# Altium PCB 606-100862-r02.pcbdoc (part 1 of 3) (continued)
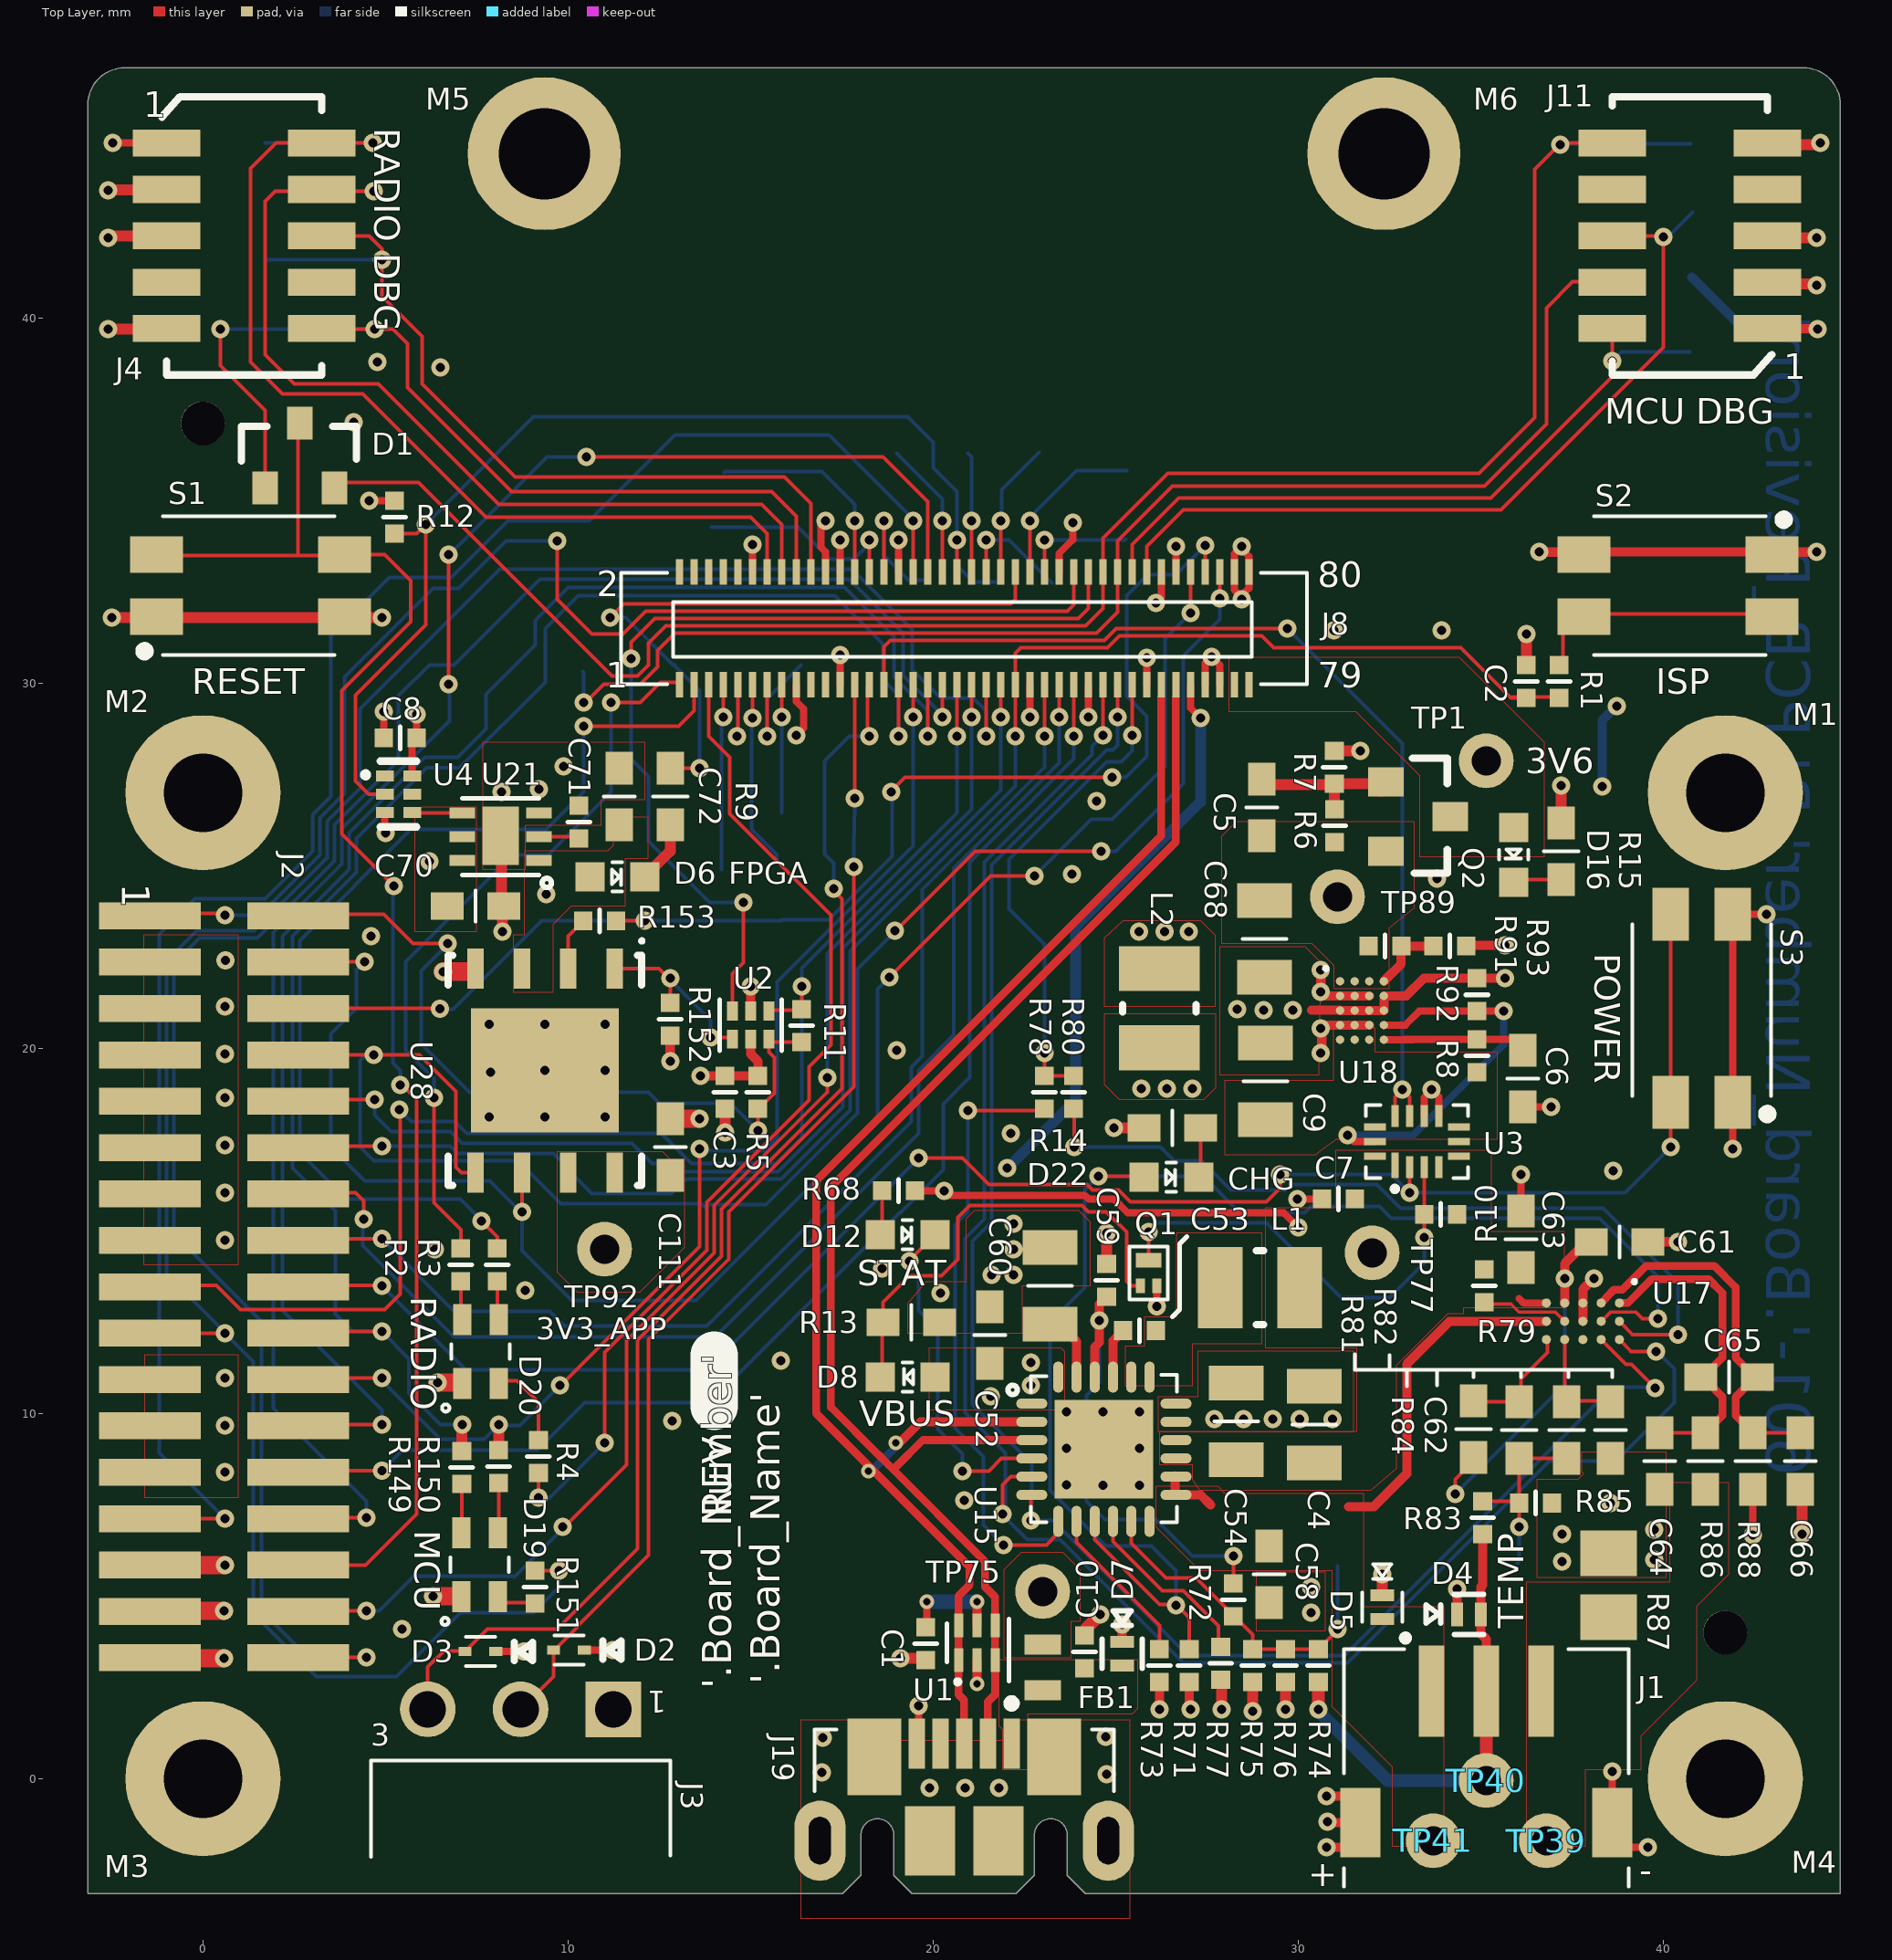
[diagram p0: Top Layer view]
## Design rules (kind name [scope] priority, off if disabled: settings) (continued)
PlaneClearance [All] p0: scope1count=1 scope1_0_kind=Board scope1_0_value=Board scope2count=1 scope2_0_kind=Board scope2_0_value=Board commentlength=0 clearance=0.25
PlaneClearance [All] p1: clearance=0.25
PlaneConnect [All] p0: scope1count=1 scope1_0_kind=Board scope1_0_value=Board scope2count=1 scope2_0_kind=Board scope2_0_value=Board commentlength=0 planeconnectstyle=Direct reliefexpansion=0.508 reliefentries=4 reliefconductorwidth=0.254 reliefairgap=0.254
PlaneConnect [All] p1: planeconnectstyle=Direct reliefexpansion=0.508 reliefentries=4 reliefconductorwidth=0.254 reliefairgap=0.254
PolygonConnect MTG_CONNECT [All] p0: scope1count=1 scope1_0_kind=PadClass scope1_0_value=Thick_thermals scope2count=1 scope2_0_kind=Board scope2_0_value=Board commentlength=0 connectstyle=Relief reliefconductorwidth=0.4 reliefentries=4 polygonreliefangle="90 Angle"
PolygonConnect THPin [All] p0: scope1count=1 scope1_0_kind=Board scope1_0_value=Board scope2count=1 scope2_0_kind=PadClass scope2_0_value=THPin_Polygon commentlength=0 connectstyle=Relief reliefconductorwidth=0.254 reliefentries=4 polygonreliefangle="90 Angle"
PolygonConnect [All] p0: scope1count=1 scope1_0_kind=Board scope1_0_value=Board scope2count=1 scope2_0_kind=Board scope2_0_value=Board commentlength=0 connectstyle=Relief reliefconductorwidth=0.25 reliefentries=4 polygonreliefangle="90 Angle"
PolygonConnect POLY_VIA [All] p0 off: scope1count=1 scope1_0_kind=Board scope1_0_value=Board scope2count=1 scope2_0_kind=Board scope2_0_value=Board commentlength=48 connectstyle=Direct reliefconductorwidth=0.254 reliefentries=4 polygonreliefangle="90 Angle" // Protel DXP Scope 2 Expression Was: IsPolygon
PolygonConnect MTG_CONNECT [InPadClass('Thick_thermals')] p1: connectstyle=Relief reliefconductorwidth=0.4 reliefentries=4 polygonreliefangle="90 Angle" airgapwidth=0.125
PolygonConnect THPin [All vs InPadClass('THPin_Polygon')] p2: connectstyle=Relief reliefconductorwidth=0.254 reliefentries=4 polygonreliefangle="90 Angle" airgapwidth=0.125
PolygonConnect POLY_VIA [IsVia vs IsPolygon] p3: connectstyle=Direct reliefconductorwidth=0.254 reliefentries=4 polygonreliefangle="90 Angle" airgapwidth=0.254
PolygonConnect [All] p4: connectstyle=Relief reliefconductorwidth=0.25 reliefentries=4 polygonreliefangle="90 Angle" airgapwidth=0.125
RoomDefinition U_Breakout [All] p0 off: scope1count=1 scope1_0_kind=ComponentClass scope1_0_value=U_Breakout scope2count=1 scope2_0_kind=Board scope2_0_value=Board commentlength=0 region_x1=181777696 region_y1=85949348 region_x2=184139901 region_y2=89098955 confinementstyle=ConfineIn
RoomDefinition U_Regulation [All] p0 off: scope1count=1 scope1_0_kind=ComponentClass scope1_0_value=U_Regulation scope2count=1 scope2_0_kind=Board scope2_0_value=Board commentlength=0 region_x1=174333599 region_y1=134161946 region_x2=289491083 region_y2=141051710 confinementstyle=ConfineIn
RoomDefinition U_Charging [All] p0 off: scope1count=1 scope1_0_kind=ComponentClass scope1_0_value=U_Charging scope2count=1 scope2_0_kind=Board scope2_0_value=Board commentlength=0 region_x1=217167252 region_y1=57086616 region_x2=384533600 region_y2=62992128 confinementstyle=ConfineIn
RoomDefinition U_CoreModule [All] p0: scope1count=1 scope1_0_kind=ComponentClass scope1_0_value=U_CoreModule scope2count=1 scope2_0_kind=Board scope2_0_value=Board commentlength=0 region_x1=195570567 region_y1=57689823 region_x2=198680955 region_y2=68093874 confinementstyle=ConfineIn
RoomDefinition U_CoreModule [InComponentClass('U_CoreModule')] p1: confinementstyle=ConfineIn formatcopy=TRUE lockcomponents=FALSE outline 83.336,-66.209 91.237,-66.209 91.237,-39.783 83.336,-39.783
RoomDefinition U_Breakout [InComponentClass('U_Breakout')] p2 off: confinementstyle=ConfineIn formatcopy=TRUE lockcomponents=FALSE outline 48.303,13.57 48.303,5.57 54.303,5.57 54.303,13.57
RoomDefinition U_Regulation [InComponentClass('U_Regulation')] p3 off: confinementstyle=ConfineIn formatcopy=TRUE lockcomponents=FALSE outline 29.394,128.03 321.895,128.03 321.895,145.53 29.394,145.53
RoomDefinition U_Charging [InComponentClass('U_Charging')] p4 off: confinementstyle=ConfineIn formatcopy=TRUE lockcomponents=FALSE outline 138.192,-67.742 563.302,-67.742 563.302,-52.742 138.192,-52.742
RoutingCorners [All] p0: scope1count=1 scope1_0_kind=Board scope1_0_value=Board scope2count=1 scope2_0_kind=Board scope2_0_value=Board commentlength=0 cornerstyle=45-Degree minsetback=2.54 maxsetback=2.54
RoutingLayers [All] p0: scope1count=1 scope1_0_kind=Board scope1_0_value=Board scope2count=1 scope2_0_kind=Board scope2_0_value=Board commentlength=0 top layer=Automatic mid layer 1=Automatic mid layer 2=Automatic bottom layer=Automatic
RoutingPriority [All] p0: scope1count=1 scope1_0_kind=Board scope1_0_value=Board scope2count=1 scope2_0_kind=Board scope2_0_value=Board commentlength=0
RoutingTopology [All] p0: scope1count=1 scope1_0_kind=Board scope1_0_value=Board scope2count=1 scope2_0_kind=Board scope2_0_value=Board commentlength=0 topology=Shortest
RoutingVias [All] p0: scope1count=1 scope1_0_kind=Board scope1_0_value=Board scope2count=1 scope2_0_kind=Board scope2_0_value=Board commentlength=0 holewidth=0.25 width=0.5 viastyle="Through Hole" minholewidth=0.25 minwidth=0.5 maxholewidth=0.25 maxwidth=0.5
RoutingVias [All] p1: holewidth=0.25 width=0.5 viastyle="Through Hole" minholewidth=0.25 minwidth=0.5 maxholewidth=0.25 maxwidth=0.5 useviatemplates=TRUE viatemplateguid#1={2D41CD12-448D-474D-BA40-36D4687D2B42} viatemplatename#1=v50h25m0mx0
ShortCircuit [All] p0: scope1count=1 scope1_0_kind=Board scope1_0_value=Board scope2count=1 scope2_0_kind=Board scope2_0_value=Board commentlength=0 allowed=FALSE
SilkToBoardRegionClearance [All] p0: scope1count=1 scope1_0_kind=Board scope1_0_value=Board scope2count=1 scope2_0_kind=Board scope2_0_value=Board commentlength=0
SilkToSilkClearance [All] p0 off: scope1count=1 scope1_0_kind=Board scope1_0_value=Board scope2count=1 scope2_0_kind=Board scope2_0_value=Board commentlength=0
SilkToSilkClearance [All] p1 off: silktosilkclearance=0
SilkToSolderMaskClearance [All] p0 off: scope1count=1 scope1_0_kind=Board scope1_0_value=Board scope2count=1 scope2_0_kind=Board scope2_0_value=Board commentlength=44 // Protel DXP Scope 1 Expression Was: IsPad
SilkToSolderMaskClearance [IsPad] p1: minsilkscreentomaskgap=0.05 clearancetoexposedcopper=TRUE
SolderMaskExpansion [All] p0: scope1count=1 scope1_0_kind=Board scope1_0_value=Board scope2count=1 scope2_0_kind=Board scope2_0_value=Board commentlength=0 expansion=0.05
SolderMaskExpansion [All] p1: expansion=0.05
UnRoutedNet [All] p0: scope1count=1 scope1_0_kind=Board scope1_0_value=Board scope2count=1 scope2_0_kind=Board scope2_0_value=Board commentlength=0
UnpouredPolygon [All] p0: scope1count=1 scope1_0_kind=Board scope1_0_value=Board scope2count=1 scope2_0_kind=Board scope2_0_value=Board commentlength=0
Width Narrow [All] p0: scope1count=1 scope1_0_kind=NetClass scope1_0_value=Narrow scope2count=1 scope2_0_kind=Board scope2_0_value=Board commentlength=0 maxlimit=0.1 minlimit=0.08 preferedwidth=0.1
Width CRITICAL [All] p0: scope1count=1 scope1_0_kind=NetClass scope1_0_value=MOTOR_DRIVERS scope2count=1 scope2_0_kind=Board scope2_0_value=Board commentlength=0 maxlimit=0.4 minlimit=0.3 preferedwidth=0.4
Width PWR_GND [All] p0: scope1count=1 scope1_0_kind=NetClass scope1_0_value=PWR_GND scope2count=1 scope2_0_kind=Board scope2_0_value=Board commentlength=0 maxlimit=1 minlimit=0.2 preferedwidth=0.3
Width [All] p0: scope1count=1 scope1_0_kind=Board scope1_0_value=Board scope2count=1 scope2_0_kind=Board scope2_0_value=Board commentlength=0 maxlimit=0.508 minlimit=0.1 preferedwidth=0.1
Width RF_Width [All] p0: scope1count=1 scope1_0_kind=NetClass scope1_0_value=RF scope2count=1 scope2_0_kind=Board scope2_0_value=Board commentlength=0 maxlimit=0.59 minlimit=0.2 preferedwidth=0.59
Width Narrow [InNetClass('Narrow')] p1: maxlimit=0.1 minlimit=0.08 preferedwidth=0.1
Width RF_Width [InNetClass('RF')] p2: maxlimit=0.59 minlimit=0.2 preferedwidth=0.59
Width PWR_GND [InNetClass('PWR_GND')] p3: maxlimit=1 minlimit=0.2 preferedwidth=0.3
Width CRITICAL [InNetClass('MOTOR_DRIVERS')] p4: maxlimit=0.4 minlimit=0.3 preferedwidth=0.4
Width [All] p5: maxlimit=0.508 minlimit=0.1 preferedwidth=0.1
22 further rules are at their usual default settings.

## Classes and differential pairs
net class Narrow: BAT_CE CHG_C\E\
pad class Thick_thermals: J19-10 J19-11 M1-1 M2-1 M3-1 M4-1 M5-1 M6-1
pad class THPin_Polygon: J8-1 J8-2 J8-3 J8-4 J8-5 J8-6 J8-7 J8-8 J8-9 J8-10
component class U_Regulation: C5 C6 C7 C8 C9 C68 C70 C71 C72 D16 L2 M1 M2 M3 M4 P1 Q2 R6 R7 R8 R10 R15 R91 R92 R93 S3 TP1 TP89 TP92 U3 U4 U18 U21
component class U_Breakout: C2 C3 C111 D1 D2 D3 D6 D19 D20 J2 J3 J4 J11 R1 R2 R3 R4 R5 R9 R11 R12 R149 R150 R151 R152 R153 S1 S2 TP2 TP3 TP4 TP5 TP6 TP7 TP8 TP9 TP13 TP14 TP15 TP16 TP17 TP18 TP19 TP20 TP21 TP22 TP23 TP24 TP25 TP26 TP27 TP28 TP29 TP30 TP31 TP32 TP33 TP34 TP35 TP36 TP37 TP38 TP42 TP43 TP44 TP45 TP46 TP47 TP48 TP49 TP50 TP51 TP52 TP53 TP54 TP55 TP56 TP57 TP58 TP59 TP60 TP61 TP62 U2 U28
component class U_Charging: C1 C4 C10 C52 C53 C54 C58 C59 C60 C61 C62 C63 C64 C65 C66 D4 D5 D7 D8 D12 D22 FB1 J1 J19 L1 Q1 R13 R14 R68 R71 R72 R73 R74 R75 R76 R77 R78 R79 R80 R81 R82 R83 R84 R85 R86 R87 R88 TP10 TP11 TP12 TP39 TP40 TP41 TP75 TP77 TP78 TP79 TP80 TP81 TP82 TP84 U1 U15 U17
component class U_CoreModule: J8 M5 M6
net class PWR_GND: 3V6_EN 3V6_FB 3V6_OUT 3V6_VINA BAT_CE BATT+ BATT- BATT_TS GND USB_VBUS V_SYS VBUS_IN VCC_3V3_APP VCC_3V3_CORE VCC_3V6
differential pair SR: +SRP -SRN
differential pair USB_D: +USB_D_P -USB_D_N
differential pair " ": +"" -""

## Components (designator, comment, footprint, x,y, rotation, side; value= is the part's Value field where it differs from the comment)
C1 "0.1uF" 0402-IPCsm_55#1 19.8,3.7 r270 top
C2 "0.1uF" 0402-IPCsm_55#1 36.25,30.05 r90 top
C3 "0.1uF" 0402-IPCsm_55#1 14.3,18.8 r90 top
C4 "47uF" 0805-ipcsm_145#1 30.447,9.7 r90 top
C5 "1uF" 0603-IPCsm_90#1 29,26.6 r270 top
C6 "0.1UF" 0603-ipcsm_90#1 36.15,19.175 r90 top
C7 "0.1uF" 0402-IPCsm_55#1 31.1,15.875 r0 top
C8 "0.1uF" 0402-IPCsm_55#1 5.4,28.5 r0 top
C9 "47uF" 0805-ipcsm_145#1 29.1,19.1 r90 top
C10 "0.1uF" 0402-IPCsm_55#1 24.15,3.475 r270 top
C52 "1uF" 0603-IPCsm_90#2 21.554,12.148 r270 top
C53 "0.047uF" 0402-IPCsm_55#2 25.654,12.268 r180 top
C54 "47uF" 0805-ipcsm_145#1 28.301,9.787 r90 top
C58 "1uF" 0603-IPCsm_90#2 29.2,5.6 r90 top
C59 "10uF" 0402-IPCsm_55#2 24.754,13.648 r90 top
C60 "22uF" 0805-IPCsm_100 23.2,13.5 r90 top
C61 "1uF" 0603-IPCsm_90#2 38.8,14.7 r180 top
C62 "0.1uF" 0603-ipcsm_90#2 38.554,9.548 r90 top
C63 "0.1uF" 0603-ipcsm_90#2 36.1,14.775 r270 top
C64 "0.1uF" 0603-ipcsm_90#2 39.9,8.7 r90 top
C65 "0.1uF" 0603-ipcsm_90#2 41.8,11 r180 top
C66 "0.1uF" 0603-ipcsm_90#2 43.754,8.7 r270 top
C68 "47uF" 0805-ipcsm_145#2 29.075,23 r270 top
C70 "10uF" 0603-IPCsm_90#2 7.472,23.89 r180 top
C71 "0.01uF" 0402-IPCsm_55#2 10.3,26.2 r90 top
C72 "10uF" 0603-IPCsm_90#2 11.4,26.9 r270 top
C111 "0.1uF" 0603-ipcsm_90#2 12.8,17.3 r90 top
D1 "BAV70LT1G" SOT23_44H 2.65,36.472 r0 top
D2 "ESD9R3.3ST5G" sod923-40 10.025,3.525 r0 top
D3 "ESD9R3.3ST5G" sod923-40 7.6,3.486 r0 top
D4 "SP1003-01ETG" SOD882-60 34.675,4.5 r180 top
D5 "SP1003-01ETG" SOD882-60 32.3,4.7 r90 top
D6 "Green" led_ltst-c191kgkt_s80#1 11.35,24.7 r0 top
D7 "SP1003-01ETG" SOD882-60 25.175,3.425 r90 top
D8 "Green" led_ltst-c191kgkt_s80#2 19.3,11 r180 top
D12 "Green" led_ltst-c191kgkt_s80#2 19.3,14.9 r0 top
D16 "Green" led_ltst-c191kgkt_s80#2 35.9,25.3 r270 top
D19 "APTF1616SEEZGQBDC" led_RBG_1p6x1p6_sm 7.583,5.857 r270 top
D20 "APTF1616SEEZGQBDC" led_RBG_1p6x1p6_sm 7.6,11.7 r270 top
D22 "Red" led_ltst-c191kgkt_s80#2 26.525,16.475 r0 top
FB1 "200ohm, 2A" ind-0603_38H 23,3.05 r270 top
J1 "S3B-ZR-SM4A-TF(LF)(SN)" CON_JST_S3B-ZR-SM4A 35.15,1.15 r180 top
J2 "FTSH-117-01-F-DV-K" FTSH-117-01-XXX-DV-K 0.58,13.47 r270 top
J3 "HTSW-103-08-G-S-RA" CON_HDR_1X3_RA 8.7,1.9 r180 top
J4 "GRPB052VWQS-RC" con_hdr_2x5_smt_50l#1 1.125,42.25 r0 top locked
J8 "DF40HC(3.0)-80DS-0.4V" con80_hirose-df40c-80ds_129h 20.85,31.5 r180 top locked
J11 "GRPB052VWQS-RC" con_hdr_2x5_smt_50l#2 40.725,42.25 r180 top locked
J19 "MICROUSB_RA" CON_USB_MOLEX_105164-0001 20.85,0.96 r180 top locked
L1 "1uH" ind-1008_35H 28.954,13.448 r0 top
L2 "1uH" ind-1008_35H 26.2,21.1 r270 top
M1 "MTGC425H215P" MTGC425H215P 41.707,27.011 r180 top locked
M2 "MTGC425H215P" MTGC425H215P 0.007,27.011 r180 top locked
M3 "MTGC425H215P" MTGC425H215P 0.007,0.011 r180 top locked
M4 "MTGC425H215P" MTGC425H215P 41.707,0.011 r180 top locked
M5 "SMTSO-M1-3ET" standoff_hole2p50p 9.35,44.5 r0 top
M6 "SMTSO-M1-3ET" standoff_hole2p50p 32.35,44.5 r0 top
Q1 "DMN65D8LFB-7B" DFN3-1006_50H 25.9,13.85 r90 top
Q2 "IRLML6401PbF" SOT23_112 32.4,27.3 r270 top
R1 "100" 0402-IPCsm_40#1 37.15,30.05 r90 top
R2 "240" 0402-IPCsm_40#1 7.061,14.065 r270 top
R3 "124" 0402-IPCsm_40#2 8.062,14.065 r270 top
R4 "124" 0402-IPCsm_40#2 9.189,8.825 r90 top
R5 "10K" 0402-IPCsm_40#1 15.2,18.8 r270 top
R6 "100K" 0402-IPCsm_40#1 31,26.1 r90 top
R7 "100K" 0402-IPCsm_40#1 30.99,27.7 r90 top
R8 "0" 0402-IPCsm_40#1 34.9,19.8 r90 top
R9 "1K" 0603-IPCsm_56#1 12.8,26.9 r90 top
R10 "3.0K" 0402-IPCsm_40#1 33.9,15.45 r180 top
R11 "0" 0402-IPCsm_40#1 16.4,20.625 r270 top
R12 "10K" 0402-IPCsm_40#1 5.25,34.55 r270 top
R13 "1K" 0603-IPCsm_56#2 19.4,12.5 r0 top
R14 "1K" 0603-IPCsm_56#2 26.55,17.825 r180 top
R15 "1K" 0603-IPCsm_56#2 37.2,25.4 r90 top
R68 "2.2K" 0402-IPCsm_40#2 19.05,16.1 r180 top
R71 "10K" 0402-IPCsm_40#2 27.016,3.1 r270 top
R72 "5.23K" 0402-IPCsm_40#2 28.225,4.9 r270 top
R73 "10K" 0402-IPCsm_40#2 26.2,3.1 r270 top
R74 "0" 0402-IPCsm_40#2 30.554,3.1 r270 top
R75 "31.6k" 0402-IPCsm_40#2 28.754,3.1 r270 top
R76 "10K" 0402-IPCsm_40#2 29.654,3.1 r270 top
R77 "430" 0402-IPCsm_40#2 27.88,3.161 r270 top
R78 "0" 0402-IPCsm_40#2 23.05,18.8 r90 top
R79 "10K" 0402-IPCsm_40#2 35.1,13.5 r270 top
R80 "0" 0402-IPCsm_40#2 23.85,18.8 r90 top
R81 "1.80M" 0603-IPCsm_56#2 34.8,9.575 r90 top
R82 "18.2K" 0603-IPCsm_56#2 36.054,9.548 r90 top
R83 "0" 0402-IPCsm_40#2 35.054,7.148 r270 top
R84 "1K" 0603-IPCsm_56#2 37.354,9.548 r270 top
R85 "10K" 0402-IPCsm_40#2 36.504,7.548 r0 top
R86 "100" 0603-IPCsm_56#2 41.154,8.7 r270 top
R87 "0.01" r-0805_20H 38.5,5.3 r90 top
R88 "100" 0603-IPCsm_56#2 42.454,8.7 r270 top
R91 "523K" 0402-IPCsm_40#2 32.375,22.8 r0 top
R92 "10K" 0402-IPCsm_40#2 34.897,21.465 r90 top
R93 "143K" 0402-IPCsm_40#2 34.15,22.8 r0 top
R149 "240" 0402-IPCsm_40#2 7.089,8.525 r270 top
R150 "124" 0402-IPCsm_40#2 8.1,8.55 r270 top
R151 "124" 0402-IPCsm_40#2 9.1,5.25 r270 top
R152 "10K" 0402-IPCsm_40#2 12.8,20.8 r90 top
R153 "33" 0402-IPCsm_40#2 10.872,23.49 r180 top
S1 "EVQ-P2T02W" SW_EVQP2 1.3,32.675 r0 top
S2 "EVQ-P2T02W" SW_EVQP2 40.4,32.675 r180 top
S3 "EVQ-P2T02W" SW_EVQP2 41.05,21.1 r90 top
TP1 "TPC150H080P" TPC150H080P 35.15,27.875 r270 top
TP2 "tp-1mm" TP-S100_SMT 7.275,24.05 r270 bottom
TP3 "tp-1mm" TP-S100_SMT 11.75,35.625 r270 bottom
TP4 "tp-1mm" TP-S100_SMT 6.75,28.975 r270 bottom
TP5 "tp-1mm" TP-S100_SMT 8.975,12.1 r90 bottom
TP6 "tp-1mm" TP-S100_SMT 19.7,20.7 r90 bottom
TP7 "tp-1mm" TP-S100_SMT 19.1,15.5 r90 bottom
TP8 "tp-1mm" TP-S100_SMT 4.2,21.1 r270 bottom
TP9 "tp-1mm" TP-S100_SMT 13.75,15.65 r270 bottom
TP10 "tp-1mm" TP-S100_SMT 38.35,25.7 r180 bottom
TP11 "tp-1mm" TP-S100_SMT 11.175,5.775 r0 bottom
TP12 "tp-1mm" TP-S100_SMT 40.725,36.975 r90 bottom
TP13 "tp-1mm" TP-S100_SMT 15.875,23.525 r270 bottom
TP14 "tp-1mm" TP-S100_SMT 1.7,37.875 r90 bottom
TP15 "tp-1mm" TP-S100_SMT 41.6,5.9 r270 bottom
TP16 "tp-1mm" TP-S100_SMT 32.425,35.75 r90 bottom
TP17 "tp-1mm" TP-S100_SMT 3.6,9.9 r90 bottom
TP18 "tp-1mm" TP-S100_SMT 13.975,34.275 r270 bottom
TP19 "tp-1mm" TP-S100_SMT 19.75,32.825 r270 bottom
TP20 "tp-1mm" TP-S100_SMT 13.975,35.775 r270 bottom
TP21 "tp-1mm" TP-S100_SMT 17.85,25.85 r270 bottom
TP22 "tp-1mm" TP-S100_SMT 17.175,27.9 r270 bottom
TP23 "tp-1mm" TP-S100_SMT 3.625,12.75 r270 bottom
TP24 "tp-1mm" TP-S100_SMT 9.05,10.1 r270 bottom
TP25 "tp-1mm" TP-S100_SMT 32.8,28.4 r270 bottom
TP26 "tp-1mm" TP-S100_SMT 4.55,30.875 r270 bottom
TP27 "tp-1mm" TP-S100_SMT 8.625,30.575 r270 bottom
TP28 "tp-1mm" TP-S100_SMT 8.525,5.525 r270 bottom
TP29 "tp-1mm" TP-S100_SMT 8.5,32.1 r270 bottom
TP30 "tp-1mm" TP-S100_SMT 10.1,16.6 r270 bottom
TP31 "tp-1mm" TP-S100_SMT 12.3,16.85 r270 bottom
TP32 "tp-1mm" TP-S100_SMT 19.025,36.325 r270 bottom
TP33 "tp-1mm" TP-S100_SMT 22.9,36.325 r270 bottom
TP34 "tp-1mm" TP-S100_SMT 25.3,35.8 r270 bottom
TP35 "tp-1mm" TP-S100_SMT 20.95,36.325 r270 bottom
TP36 "tp-1mm" TP-S100_SMT 21.475,32.775 r270 bottom
TP37 "tp-1mm" TP-S100_SMT 23.25,32.75 r270 bottom
TP38 "tp-1mm" TP-S100_SMT 12.925,30.5 r270 bottom
TP39 "TPC150H080P" TPC150H080P 36.8,-1.7 r270 top
TP40 "TPC150H080P" TPC150H080P 35.15,-0.05 r270 top
TP41 "TPC150H080P" TPC150H080P 33.7,-1.7 r0 top
TP42 "tp-1mm" TP-S100_SMT 25.225,33.95 r270 bottom
TP43 "tp-1mm" TP-S100_SMT 7.3,25.975 r270 bottom
TP44 "tp-1mm" TP-S100_SMT 10.3,8.5 r270 bottom
TP45 "tp-1mm" TP-S100_SMT 14.075,25.15 r270 bottom
TP46 "tp-1mm" TP-S100_SMT 14.6,30.5 r270 bottom
TP47 "tp-1mm" TP-S100_SMT 15.85,25.15 r270 bottom
TP48 "tp-1mm" TP-S100_SMT 16.375,30.5 r270 bottom
TP49 "tp-1mm" TP-S100_SMT 15.85,26.675 r270 bottom
TP50 "tp-1mm" TP-S100_SMT 1.7,44.8 r270 bottom
TP51 "tp-1mm" TP-S100_SMT 1.7,43.2 r270 bottom
TP52 "tp-1mm" TP-S100_SMT 1.7,41.6 r270 bottom
TP53 "tp-1mm" TP-S100_SMT 1.7,39.7 r270 bottom
TP54 "tp-1mm" TP-S100_SMT 38.325,28.275 r270 bottom
TP55 "tp-1mm" TP-S100_SMT 40.725,39.075 r270 bottom
TP56 "tp-1mm" TP-S100_SMT 10.4,30.325 r270 bottom
TP57 "tp-1mm" TP-S100_SMT 40.725,42.9 r270 bottom
TP58 "tp-1mm" TP-S100_SMT 40.725,44.775 r270 bottom
TP59 "tp-1mm" TP-S100_SMT 40.725,41.125 r270 bottom
TP60 "tp-1mm" TP-S100_SMT 6.3,31.4 r180 bottom
TP61 "tp-1mm" TP-S100_SMT 12.175,27.475 r270 bottom
TP62 "tp-1mm" TP-S100_SMT 16.425,18.375 r270 bottom
TP75 "TPC150H080P" TPC150H080P 23,5.125 r180 top
TP77 "TPC150H080P" TPC150H080P 32.025,14.4 r270 top
TP78 "tp-1mm" TP-S100_SMT 31.075,5.825 r0 bottom
TP79 "tp-1mm" TP-S100_SMT 38.65,8.725 r90 bottom
TP80 "tp-1mm" TP-S100_SMT 38.625,10.7 r0 bottom
TP81 "tp-1mm" TP-S100_SMT 25.525,16.5 r270 bottom
TP82 "tp-1mm" TP-S100_SMT 36.05,5.925 r90 bottom
TP84 "tp-1mm" TP-S100_SMT 22.625,23.325 r90 bottom
TP89 "TPC150H080P" TPC150H080P 31.075,24.15 r0 top
TP92 "TPC150H080P" TPC150H080P 11,14.5 r90 top
U1 "USBULC6-2M6" "UQFN6_ USBULC6-2M6" 21.2,3.725 r0 top
U2 "SN74LVC1G18" SON6_TI_DRY 15,20.635 r180 top